# Altium PCB nPOC-BB_alpha_main-boardd.PcbDoc (part 1 of 3) (continued)
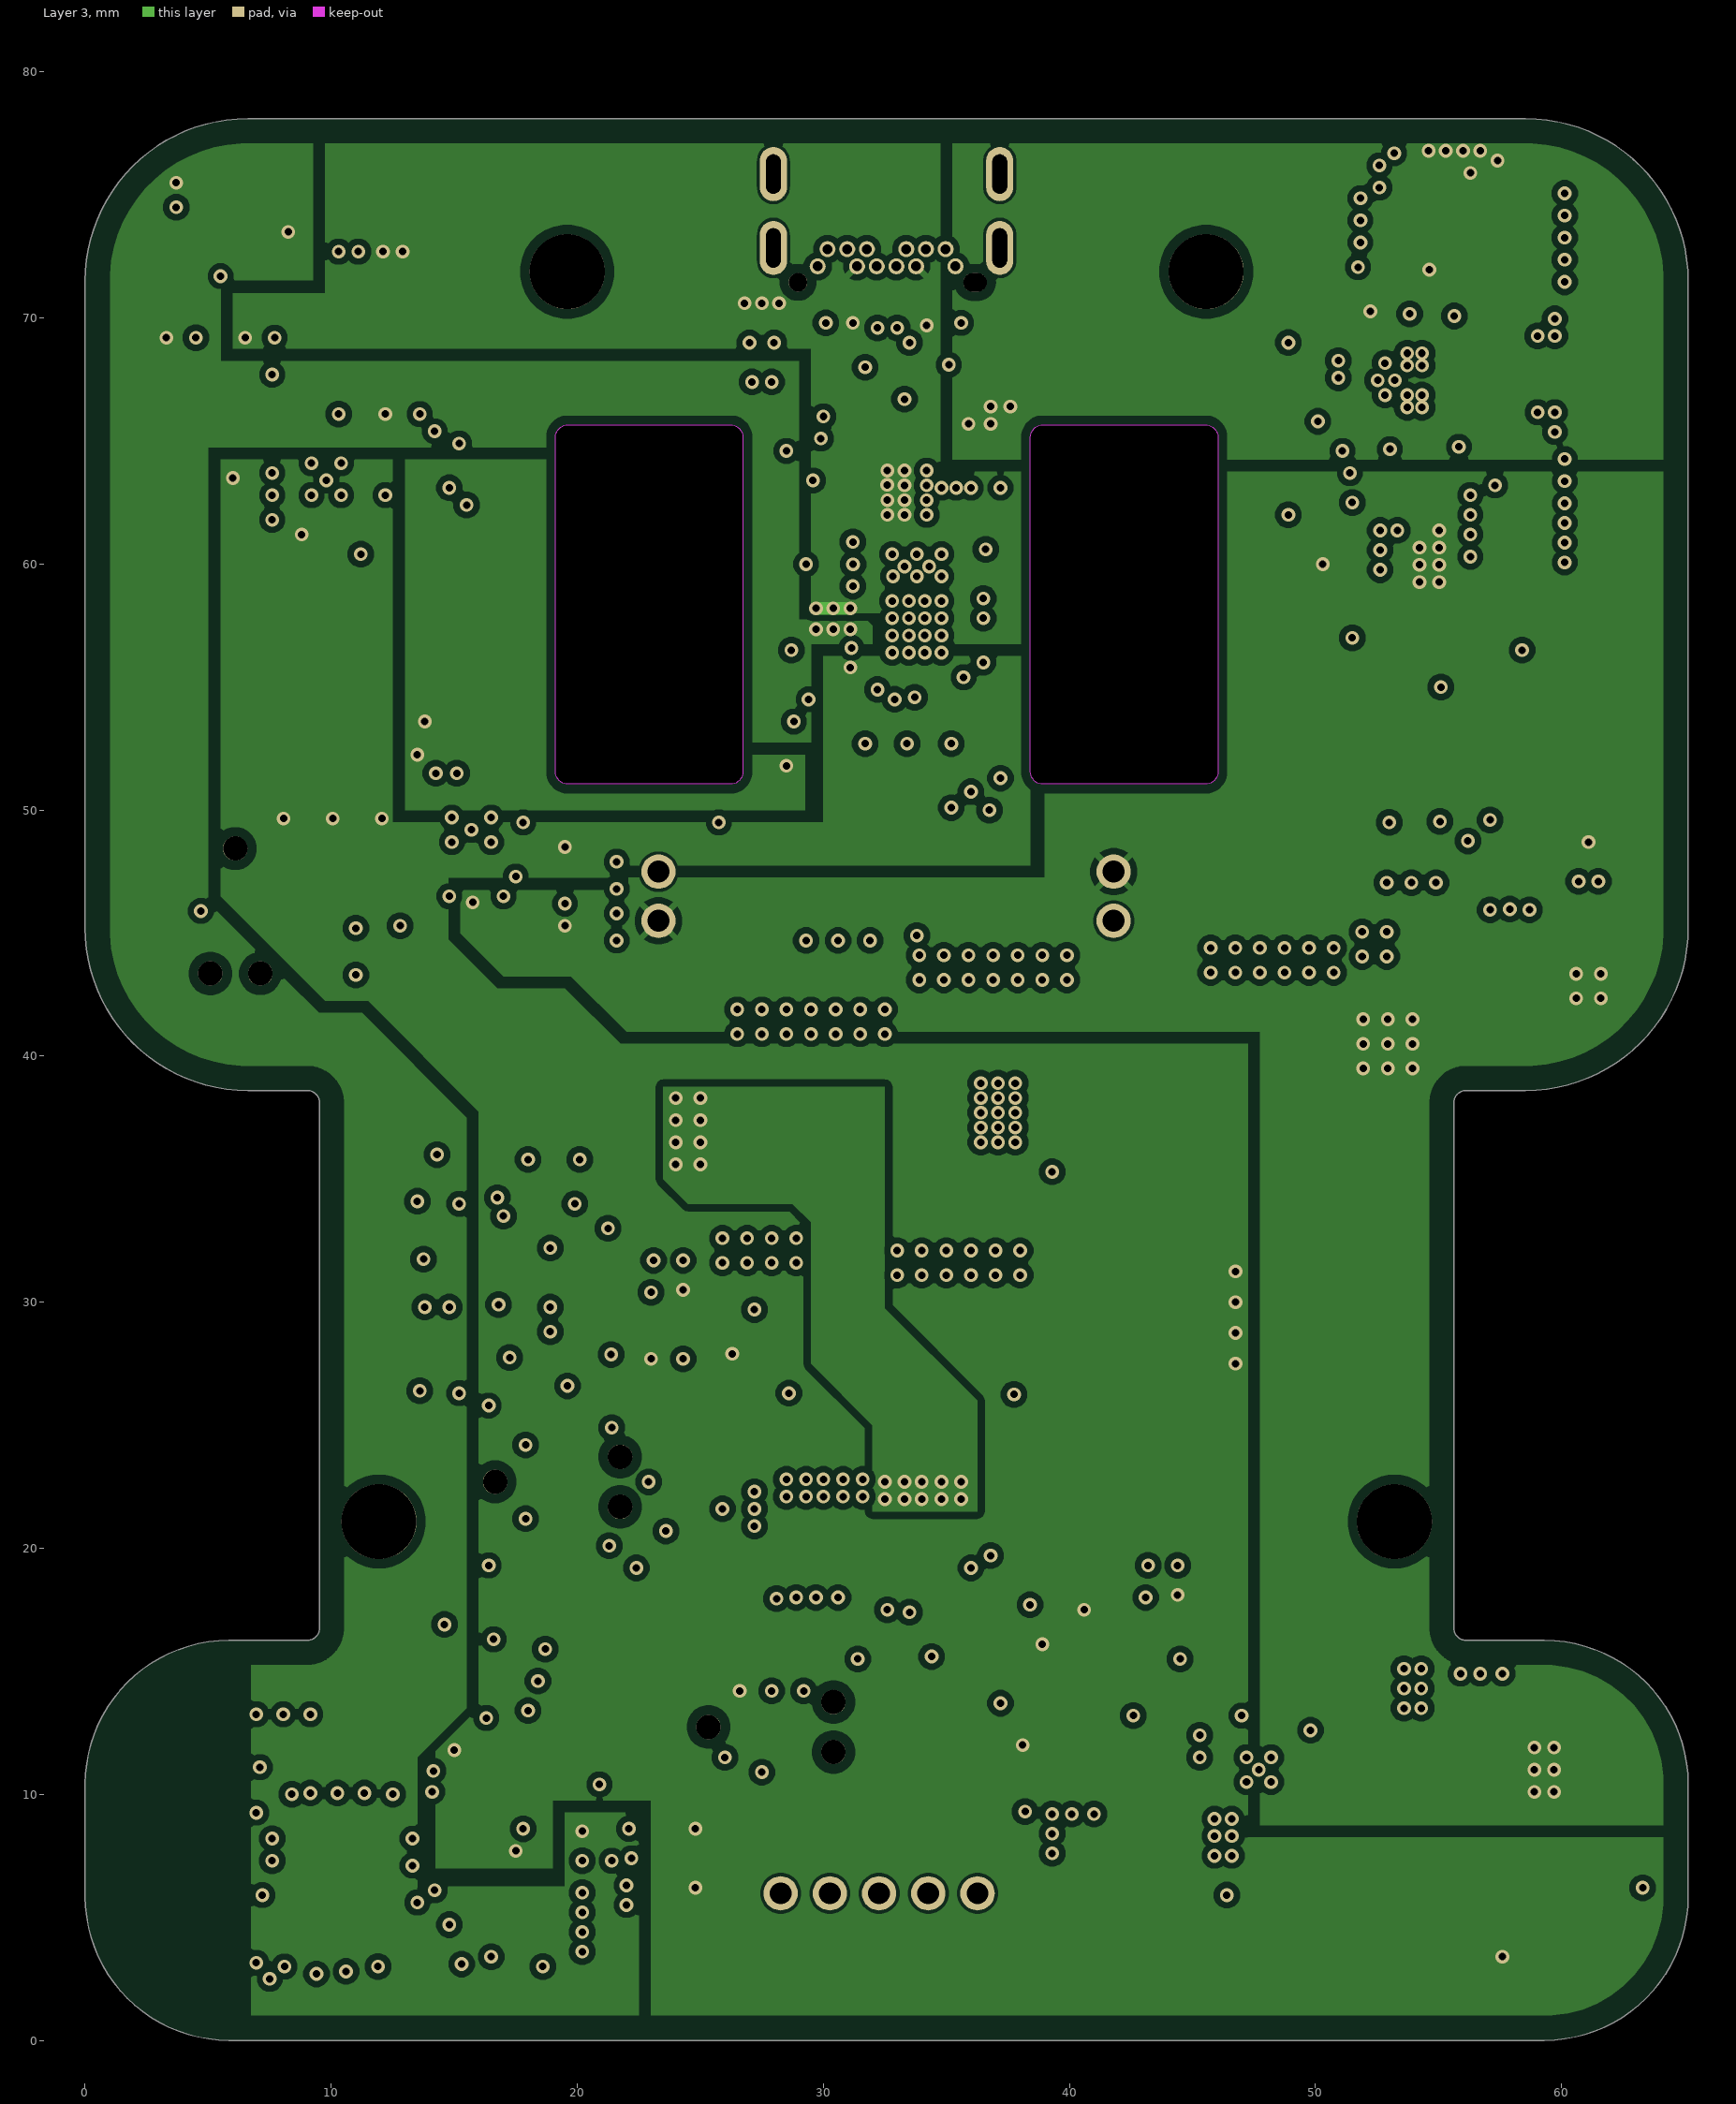
[diagram p3: Layer 3]
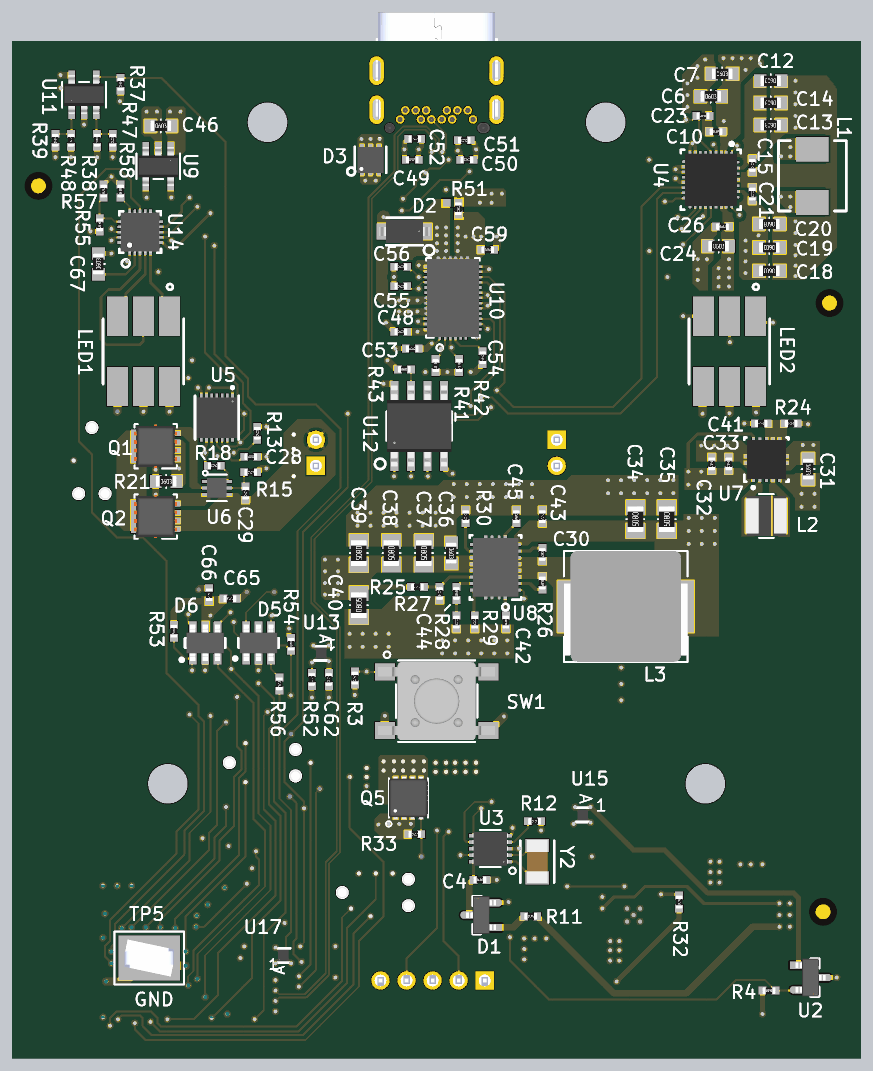
[diagram p6: 3D render of the assembled board from above, using the file's embedded part models]
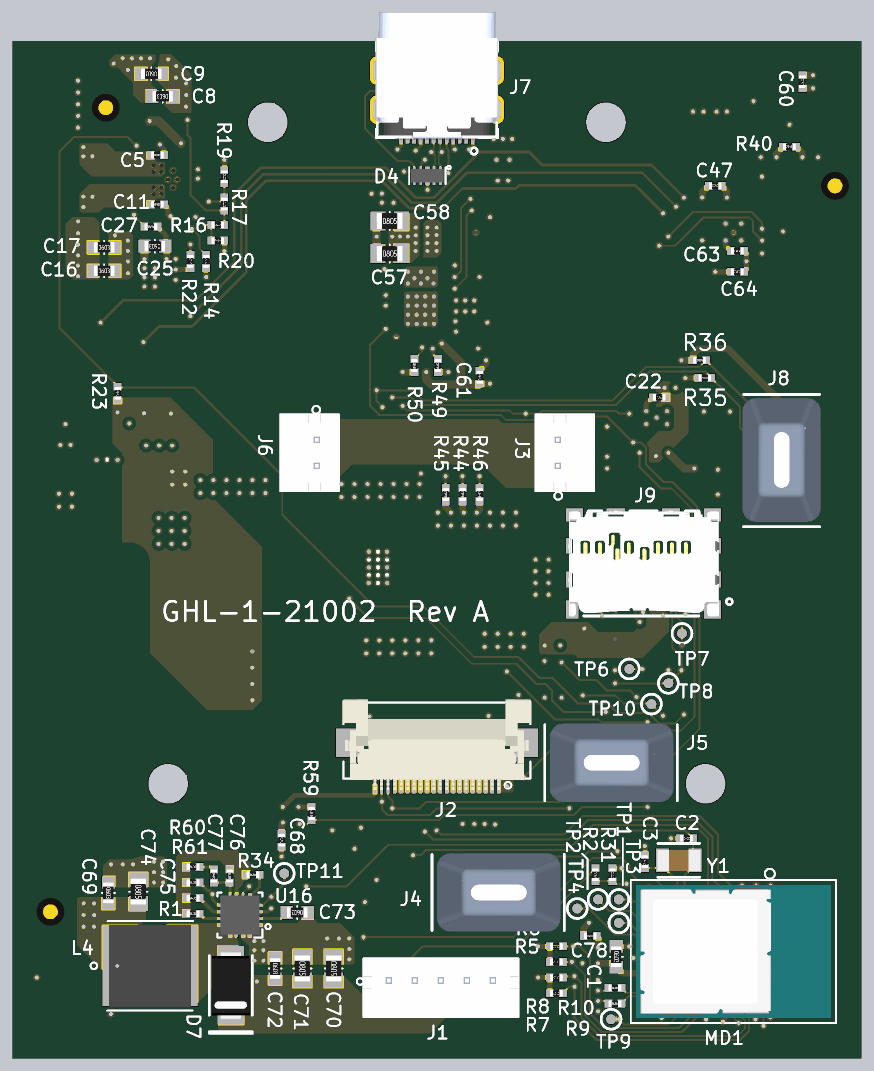
[diagram p7: 3D render of the assembled board from below, using the file's embedded part models]

## Layer stack, top to bottom
Top Solder Mask: solder mask 0.0232, SM-003, Dk 4
Top Layer: signal copper 0.018
Dielectric 2: prepreg 0.1104, PP-023, Dk 4.5
Layer 2: signal copper 0.035
Dielectric 1: prepreg 1.2, PP-023, Dk 4.5
Layer 3: signal copper 0.035
Dielectric 3: prepreg 0.1104, PP-023, Dk 4.5
Bottom Layer: signal copper 0.018
Bottom Solder Mask: solder mask 0.0232, SM-003, Dk 4

## Board outline
0,5.842 ccw(c5.842,5.842) 5.842,0 59.309,0 ccw(c59.309,5.842) 65.151,5.842 65.151,10.414 ccw(c59.309,10.414) 59.309,16.256 56.134,16.256 cw(c56.134,16.764) 55.626,16.764 55.626,38.1 55.627,38.1 cw(c56.135,38.1) 56.135,38.608 56.134,38.608 58.547,38.608 ccw(c58.547,45.212) 65.151,45.212 65.151,71.501 ccw(c58.547,71.501) 58.547,78.105 6.604,78.105 ccw(c6.604,71.501) 0,71.501 0,45.212 ccw(c6.604,45.212) 6.604,38.608 9.017,38.608 cw(c9.017,38.1) 9.525,38.1 9.525,16.764 cw(c9.017,16.764) 9.017,16.256 5.842,16.256 ccw(c5.842,10.414) 0,10.414
cut-out: 38.417,51.562 38.417,65.151 cw(c38.925,65.151) 38.925,65.659 45.529,65.659 cw(c45.529,65.151) 46.037,65.151 46.037,51.562 cw(c45.529,51.562) 45.529,51.054 38.925,51.054 cw(c38.925,51.562)
cut-out: 19.113,51.562 19.113,65.151 cw(c19.621,65.151) 19.621,65.659 26.225,65.659 cw(c26.225,65.151) 26.733,65.151 26.733,51.562 cw(c26.225,51.562) 26.225,51.054 19.621,51.054 cw(c19.621,51.562)

## Design rules (kind name [scope] priority, off if disabled: settings)
BoardOutlineClearance [All] p1: gap=0.254 ignorepadtopadclearanceinfootprint=FALSE except(0: Arc-SplitContinuation Track-SplitContinuation SMDPad-SplitContinuation THPad-SplitContinuation Via-SplitContinuation Fill-SplitContinuation Poly-SplitContinuation Region-SplitContinuation Text-SplitContinuation; 0.381: Poly-CutoutEdge; 1: Arc-OutlineEdge Track-OutlineEdge SMDPad-OutlineEdge THPad-OutlineEdge Via-OutlineEdge Fill-OutlineEdge Poly-OutlineEdge Region-OutlineEdge Text-OutlineEdge)
Clearance [All] p1: gap=0.127 ignorepadtopadclearanceinfootprint=FALSE except(0.013: Arc-THPad Track-THPad SMDPad-THPad THPad-THPad; 0.1: Arc-SMDPad Track-SMDPad SMDPad-SMDPad; 0.15: Via-Via; 0.178: Arc-Text Arc-Hole Track-Text Track-Hole SMDPad-Text SMDPad-Hole THPad-Text THPad-Hole Via-Text; 0.25: Via-Hole Text-Hole; 0.254: Text-Text; 0.3: Fill-Fill Fill-Poly Fill-Region Poly-Poly Poly-Region Region-Region; 0.381: Fill-Text Fill-Hole Poly-Text Poly-Hole Region-Text Region-Hole)
DiffPairsRouting DiffPairsRouting_100ohm [InDifferentialPair('DifferentialPair_100ohm') or InDifferentialPair('NewDifferentialPair3_100ohm') or InDifferentialPair('NewDifferentialPair_100ohm')] p1: maxlimit=0.254 minlimit=0.127 mostfreqgap=0.254 toplayer_maxgap=0.127 toplayer_prefgap=0.127 toplayer_minwidth=0.102 toplayer_maxwidth=0.102 toplayer_prefwidth=0.102 midlayer1_mingap=0.254 midlayer1_minwidth=0.381 midlayer1_maxwidth=0.381 midlayer1_prefwidth=0.381 midlayer2_mingap=0.254 midlayer2_minwidth=0.381 midlayer2_maxwidth=0.381 midlayer2_prefwidth=0.381 bottomlayer_maxgap=0.127 bottomlayer_prefgap=0.127 bottomlayer_minwidth=0.102 bottomlayer_maxwidth=0.102 bottomlayer_prefwidth=0.102 maxuncoupledlength=12.7
DiffPairsRouting DiffPairsRouting_90ohm [All] p2: maxlimit=0.127 minlimit=0.127 mostfreqgap=0.127 toplayer_minwidth=0.127 toplayer_maxwidth=0.127 toplayer_prefwidth=0.127 midlayer1_minwidth=0.127 midlayer1_maxwidth=0.127 midlayer1_prefwidth=0.127 midlayer2_minwidth=0.127 midlayer2_maxwidth=0.127 midlayer2_prefwidth=0.127 bottomlayer_minwidth=0.127 bottomlayer_maxwidth=0.127 bottomlayer_prefwidth=0.127 maxuncoupledlength=12.7
Height [All] p1: minheight=0 maxheight=200 prefheight=12.7
HoleSize [All] p1: absolutevalues=TRUE maxlimit=5.08 minlimit=0.025 maxpercent=80.000 minpercent=20.000
MinimumSolderMaskSliver [All] p1: minsoldermaskwidth=0.1
PolygonConnect PolygonConnect_4 [All vs IsNamedPolygon('NONET_L-01_P-001')] p1: thpad.connectstyle=Relief thpad.reliefconductorwidth=0.254 thpad.reliefentries=4 thpad.polygonreliefangle="45 Angle" thpad.airgapwidth=0.254 smdpad.connectstyle=Direct smdpad.reliefconductorwidth=0.254 smdpad.reliefentries=4 smdpad.polygonreliefangle="90 Angle" smdpad.airgapwidth=0.254 via.connectstyle=Direct via.reliefconductorwidth=0.254 via.reliefentries=4 via.polygonreliefangle="90 Angle" via.airgapwidth=0.254
PolygonConnect PolygonConnect_3 [All vs IsNamedPolygon('direct')] p2: thpad.connectstyle=Relief thpad.reliefconductorwidth=0.254 thpad.reliefentries=4 thpad.polygonreliefangle="90 Angle" thpad.airgapwidth=0.254 smdpad.connectstyle=Direct smdpad.reliefconductorwidth=0.254 smdpad.reliefentries=4 smdpad.polygonreliefangle="90 Angle" smdpad.airgapwidth=0.254 via.connectstyle=Direct via.reliefconductorwidth=0.254 via.reliefentries=4 via.polygonreliefangle="90 Angle" via.airgapwidth=0.254
PolygonConnect direct_1 [All vs IsNamedPolygon('NONET_L-01_P-001')] p3: thpad.connectstyle=Relief thpad.reliefconductorwidth=0.254 thpad.reliefentries=4 thpad.polygonreliefangle="90 Angle" thpad.airgapwidth=0.254 smdpad.connectstyle=Direct smdpad.reliefconductorwidth=0.254 smdpad.reliefentries=4 smdpad.polygonreliefangle="90 Angle" smdpad.airgapwidth=0.254 via.connectstyle=Direct via.reliefconductorwidth=0.254 via.reliefentries=4 via.polygonreliefangle="90 Angle" via.airgapwidth=0.254
PolygonConnect direct [All vs IsNamedPolygon('NONET_L-01_P-001')] p4: thpad.connectstyle=Relief thpad.reliefconductorwidth=0.254 thpad.reliefentries=4 thpad.polygonreliefangle="90 Angle" thpad.airgapwidth=0.254 smdpad.connectstyle=Direct smdpad.reliefconductorwidth=0.254 smdpad.reliefentries=4 smdpad.polygonreliefangle="90 Angle" smdpad.airgapwidth=0.254 via.connectstyle=Direct via.reliefconductorwidth=0.254 via.reliefentries=4 via.polygonreliefangle="90 Angle" via.airgapwidth=0.254
PolygonConnect PolygonConnect_2 [All vs IsNamedPolygon('NONET_L-01_P-001')] p5: thpad.connectstyle=Relief thpad.reliefconductorwidth=0.254 thpad.reliefentries=4 thpad.polygonreliefangle="90 Angle" thpad.airgapwidth=0.254 smdpad.connectstyle=Direct smdpad.reliefconductorwidth=0.254 smdpad.reliefentries=4 smdpad.polygonreliefangle="90 Angle" smdpad.airgapwidth=0.254 via.connectstyle=Direct via.reliefconductorwidth=0.254 via.reliefentries=4 via.polygonreliefangle="90 Angle" via.airgapwidth=0.254
PolygonConnect PolygonConnect_1 [All vs IsNamedPolygon('GND_L02_P000')] p6: thpad.connectstyle=Relief thpad.reliefconductorwidth=0.254 thpad.reliefentries=4 thpad.polygonreliefangle="90 Angle" thpad.airgapwidth=0.254 smdpad.connectstyle=Relief smdpad.reliefconductorwidth=0.254 smdpad.reliefentries=4 smdpad.polygonreliefangle="90 Angle" smdpad.airgapwidth=0.254 via.connectstyle=Direct via.reliefconductorwidth=0.254 via.reliefentries=4 via.polygonreliefangle="90 Angle" via.airgapwidth=0.254
PolygonConnect [All] p7: connectstyle=Relief reliefconductorwidth=0.254 reliefentries=4 polygonreliefangle="90 Angle" airgapwidth=0.254
RoutingVias [All] p1: holewidth=0.305 width=0.559 viastyle="Through Hole" minholewidth=0.2 minwidth=0.4 maxholewidth=0.305 maxwidth=0.559
SilkToSilkClearance [All] p1: silktosilkclearance=0.102
SilkToSolderMaskClearance [IsPad] p1: minsilkscreentomaskgap=0.102 clearancetoexposedcopper=TRUE
SolderMaskExpansion [All] p1: expansion=0.064 istentingtop=FALSE
SupplyNets "Schematic Supply Nets_17" [InNet('HEATER_P')] p1: voltage=0.000
SupplyNets "Schematic Supply Nets_16" [InNet('BQ_IN')] p2: voltage=0.000
SupplyNets "Schematic Supply Nets_15" [InNet('BATT_GND')] p3: voltage=0.000
SupplyNets "Schematic Supply Nets_14" [InNet('VBAT')] p4: voltage=0.000
SupplyNets "Schematic Supply Nets_13" [InNet('3V3')] p5: voltage=0.000
SupplyNets "Schematic Supply Nets_12" [InNet('VBUS1')] p6: voltage=0.000
SupplyNets "Schematic Supply Nets_11" [InNet('PD_LDO_1V5')] p7: voltage=0.000
SupplyNets "Schematic Supply Nets_10" [InNet('GND')] p8: voltage=0.000
SupplyNets "Schematic Supply Nets_9" [InNet('5V_USB_LDO')] p9: voltage=0.000
SupplyNets "Schematic Supply Nets_8" [InNet('REGN')] p10: voltage=0.000
SupplyNets "Schematic Supply Nets_7" [InNet('3V3_SD')] p11: voltage=0.000
SupplyNets "Schematic Supply Nets_6" [InNet('5V')] p12: voltage=0.000
SupplyNets "Schematic Supply Nets_5" [InNet('GND_SNS')] p13: voltage=0.000
SupplyNets "Schematic Supply Nets_4" [InNet('3V3_SWITCHED')] p14: voltage=0.000
SupplyNets "Schematic Supply Nets_3" [InNet('PD_LDO_3V3')] p15: voltage=0.000
SupplyNets "Schematic Supply Nets_2" [InNet('VSYS')] p16: voltage=0.000
SupplyNets "Schematic Supply Nets_1" [InNet('VCC_MOTOR')] p17: voltage=0.000
SupplyNets "Schematic Supply Nets" [InNet('PPHV')] p18: voltage=0.000
Width [All] p1: maxlimit=2 minlimit=0.127 preferedwidth=0.152 midlayer1_maxwidth=1 midlayer2_maxwidth=1 minimp=50.000000 maximp=50.000000 favimp=50.000000
24 further rules are at their usual default settings.

## Classes and differential pairs
component class "USB PD": C48 C49 C50 C51 C52 C53 C54 C55 C56 C57 C58 C59 C60 C61 C78 D2 D3 D4 J7 J8 R35 R36 R37 R38 R39 R40 R41 R42 R43 R44 R45 R46 R47 R48 R49 R50 R51 U10 U11 U12 U17
component class Peripherals: C62 C63 C64 C65 C66 C67 C68 D5 D6 J9 LED1 LED2 R52 R53 R54 R55 R56 R57 R58 R59 TP6 TP7 TP8 TP9 TP10 U13 U14 U15
component class MCU: C1 C2 C3 C4 D1 J1 J2 J4 J5 MD1 R2 R3 R4 R5 R6 R7 R8 R9 R10 R11 R12 R31 SW1 TP1 TP2 TP3 TP4 TP5 U2 U3 Y1 Y2
component class Battery: C5 C6 C7 C8 C9 C10 C11 C12 C13 C14 C15 C16 C17 C18 C19 C20 C21 C22 C23 C24 C25 C26 C27 C28 C29 J3 J6 L1 Q1 Q2 R13 R14 R15 R16 R17 R18 R19 R20 R21 R22 R23 U4 U5 U6
component class Power: C30 C31 C32 C33 C34 C35 C36 C37 C38 C39 C40 C41 C42 C43 C44 C45 C46 C47 C69 C70 C71 C72 C73 C74 C75 C76 C77 D7 L2 L3 L4 Q5 R1 R24 R25 R26 R27 R28 R29 R30 R32 R33 R34 R60 R61 TP11 U7 U8 U9 U16
differential pair USB1_D: +USB1_D_P -USB1_D_N
differential pair USB2_D: +USB2_D_P -USB2_D_N

## Components (designator, comment, footprint, x,y, rotation, side; value= is the part's Value field where it differs from the comment)
C1 "4.7uF" C0603 18.8,7.8 r270 bottom
C2 "DNP" C0402 13.4,16.9 r180 bottom
C3 "DNP" C0402 16.6,15.1 r270 bottom
C4 "C0402_100n_16V_10pct" C0402 35.9,13.7 r0 top
C5 "C0402_47n_50V_10pct" C0402 54.031,69.369 r180 bottom
C6 "C0603_10u_25V_10pct" C0603 53.631,73.869 r0 top
C7 "C0603_10u_25V_10pct" C0603 54.5,75.6 r0 top
C8 "C0603_10u_25V_10pct" C0603 53.631,73.869 r0 bottom
C9 "C0603_10u_25V_10pct" C0603 54.5,75.6 r0 bottom
C10 "C0402_0u1_25V_10pct" C0402 54.031,71.169 r0 top
C11 "C0402_47n_50V_10pct" C0402 54.031,65.569 r180 bottom
C12 "C0603_10u_25V_10pct" C0603 58.231,75.069 r180 top
C13 "C0603_10u_25V_10pct" C0603 58.231,71.669 r180 top
C14 "C0603_10u_25V_10pct" C0603 58.231,73.369 r180 top
C15 "C0402_0u1_25V_10pct" C0402 56.831,68.569 r90 top
C16 "C0603_10u_25V_10pct" C0603 58.131,60.469 r180 bottom
C17 "C0603_10u_25V_10pct" C0603 58.131,62.269 r180 bottom
C18 "C0603_10u_25V_10pct" C0603 58.131,60.469 r180 top
C19 "C0603_10u_25V_10pct" C0603 58.131,62.269 r180 top
C20 "C0603_10u_25V_10pct" C0603 58.131,64.069 r180 top
C21 "C0402_0u1_25V_10pct" C0402 56.831,66.369 r270 top
C22 "C0402_100n_16V_10pct" C0402 15.5,50.75 r0 bottom
C23 "C0402_4u7_10V_20pct" C0402 53.031,72.369 r180 top
C24 "C0603_10u_25V_10pct" C0603 54.231,62.369 r0 top
C25 "C0603_10u_25V_10pct" C0603 54.231,62.369 r0 bottom
C26 "C0402_0u1_25V_10pct" C0402 54.531,63.869 r0 top
C27 "C0402_1n_50V_10pct" C0402 54.531,63.869 r0 bottom
C28 "C0402_470n_6V3_10pct" C0402 18.3,46.2 r180 top
C29 "C0402_100n_16V_10pct" C0402 17.9,43.4 r90 top
C30 "0.1uF" C0402 40.7,38.7 r270 top value=100nF
C31 "10uF" C0603 61.1,45.25 r270 top
C32 "10uF" C0402 53.7,45.65 r270 top
C33 "10uF" C0402 55,45.65 r270 top
C34 "22uF" c0805 47.844,41.4 r270 top
C35 "22uF" c0805 50.244,41.4 r270 top
C36 "1uF" C0603 33.7,38.8 r270 top
C37 "22uF" c0805 31.6,38.8 r270 top
C38 "22uF" c0805 29.1,38.8 r270 top
C39 "22uF" c0805 26.6,38.8 r270 top
C40 "22uF" c0805 26.6,34.8 r90 top
C41 "0.1uF" C0402 57.5,48.75 r0 top
C42 "4.7uF" C0402 37.9,33.5 r90 top
C43 "0.1uF" C0402 40.7,41.6 r270 top value=100nF
C44 "4700pF" C0402 34.1,33.5 r270 top
C45 "47nF" C0402 38.7,41.6 r90 top
C46 "1uF" C0603 11.4,71.6 r0 top
C47 "10uF" C0402 11.2,67 r0 bottom
C48 "C0402_10u_10V_20pct" C0402 29.825,55.8 r0 top
C49 "C0402_10n_35V_10pct" C0402 30.7,69 r0 top value=10nF
C50 "C0402_10n_35V_10pct" C0402 34.9,69 r180 top value=10nF
C51 "C0402_10n_35V_10pct" C0402 34.7,70.5 r180 top value=10nF
C52 "C0402_10n_35V_10pct" C0402 30.9,70.6 r0 top value=10nF
C53 "C0402_10u_10V_20pct" C0402 30.7,54.5 r0 top
C54 "C0402_10u_10V_20pct" C0402 36.1,53.8 r90 top
C55 "C0402_330p_50V_10pct" C0402 29.826,59.293 r0 top value=330pF
C56 "C0402_330p_50V_10pct" C0402 29.826,60.793 r0 top value=330pF
C57 "C0805_22u_25V_20pct" c0805 36.2,61.8 r180 bottom
C58 "C0805_22u_25V_20pct" c0805 36.2,64.3 r180 bottom
C59 "C0402_0u1_25V_10pct" C0402 36.5,62.1 r180 top
C60 "C0402_100n_16V_10pct" C0402 4.5,75 r90 bottom
C61 "C0402_0u1_25V_10pct" C0402 29.3,52.3 r270 bottom
C62 "C0402_1u_6V3_10pct" C0402 24.3,29.1 r90 top
C63 "0.1uF" C0402 9.5,62 r180 bottom
C64 "1uF" C0402 9.5,60.4 r180 bottom
C65 "C0402_1u_6V3_10pct" C0402 16.7,35.3 r180 top
C66 "C0402_0u1_16V_10pct" C0402 15.1,35.6 r270 top value=100nF
C67 "N/A" C0603 6.6,61 r90 top value=.1uF
C68 "C0402_1u_6V3_10pct" C0402 44.5,16.75 r90 bottom
C69 "10uF" C0603 57.8,12.7 r270 bottom
C70 "4.7uF" c0805 40.5,6.9 r270 bottom
C71 "4.7uF" c0805 42.9,6.9 r270 bottom
C72 "100nF" C0603 45,6.9 r270 bottom
C73 "1uF" C0603 43.3,11.2 r0 bottom
C74 "0.1uF" c0805 55.5,12.8 r270 bottom
C75 "C0402_10n_35V_10pct" C0402 51.3,12.3 r180 bottom value=10nF
C76 "300pF" C0402 48.5,14 r270 bottom
C77 "12nF" C0402 49.7,14 r270 bottom
C78 "C0402_1u_6V3_10pct" C0402 20.8,9.4 r180 bottom
D1 "BAT54C" SOT23 36,11 r180 top
D2 "SS1020FL_R1_00001" sod-123fl_AK 30.1,63.5 r180 top
D3 "TVS2200DRVR" dfn7_2x2_p65mm 27.5,69 r0 top
D4 "TPD4E02B04DQAR" dfn10_1p1x2p6_p5mm 33.3,67.775 r270 bottom
D5 "IP4220CZ6F" SOT23-6PIN 18.9,31.9 r90 top
D6 "IP4220CZ6F" SOT23-6PIN 14.8,31.9 r90 top
D7 "B240AE-13" sma 48.4,5.6 r90 bottom
J1 "B5B-PH-K-S(LF)(SN)" JST_B5B-PH-K-S 36.266,5.975 r0 bottom locked
J2 "FH12A-20S-0.5SH(55)" hirose_fh12a-20s-0p5sh55 32.575,24.4 r180 bottom locked
J3 "B2B-PH-K-S" JST_B2B-PH-K-S 22.75,46.5 r270 bottom locked
J4 "nRF_PROG" tc2030-mcp-nl 27.87,12.735 r0 bottom
J5 "DEBUG" tc2030-mcp-nl 19.2,22.7 r0 bottom locked
J6 "B2B-PH-K-S" JST_B2B-PH-K-S 42.35,46.5 r90 bottom locked
J7 "DX07S024XJ1R1100" USB_JAE_DX07S024XJ1R1100 28.97,71.45 r0 bottom locked
J8 "EEPROM" tc2030-mcp-nl 6.1,45.9 r270 bottom
J9 "MEM2085-00-115-00-A" GCT_MEM2085-00-115-00-A_REV0.2 16.7,38 r180 bottom locked
L1 "0530CDMCCDS-2R2MC" ind2_5p4x5p2mm 61.431,67.769 r270 top value=2.2uH
L2 "SRN3015-2R2M" IND_BOURNS_SRN3015 57.9,41.65 r180 top value=2.2uH
L3 "CDMC8D28NP-1R2MC" ind2_9p5x8p5mm 47.1,34.7 r180 top value=1.2uH
L4 "78404064015" ind2_wurth_78404064015 54.6,7.1 r180 bottom
LED1 "AAAF5060QBFSURZGS" led6_smt_5x6mm 10.06,54.285 r270 top locked
LED2 "AAAF5060QBFSURZGS" led6_smt_5x6mm 55.06,54.285 r270 top locked
MD1 "BMD-340-A-R" BMD-340-A-R 9.8,8.2 r270 bottom
Q1 "CSD17577Q3AT" dfn8_3p1x3p25_p65mm 11,47 r180 top
Q2 "CSD17577Q3AT" dfn8_3p1x3p25_p65mm 11,41.6 r180 top
Q5 "AON7524" dfn8_3x3_p65mm_fet 30.4,20 r0 top
R1 "0R" R0402 51.3,11.1 r180 bottom
R2 "4.99k" R0402 20.4,14.1 r90 bottom